# Allegro board SG2042_EVB_V1_1.brd (continued)
## Routing (per net, layer and track width the routed paths; a pad name or vN(x,y) marks a point on that pad's centre or on a via; arc(x,y) is an arc through that point) (continued)
VDDC_H: length 238.8
  TOP w0.102: R2420.2 135.1,168.4 135,168.3 114.13,168.3 113.83,168.6 113.83,169.02 U815.4
  ART10 w0.254: v1(153.62,201.9) 153.16,201.45 153.16,196.98 154.23,195.91 154.23,183.49 v1(157.18,180.54) ; v1(116.94,180.54) 114,183.49 114,195.91 112.93,196.98 112.93,201.45 v1(113.39,201.9) ; v1(127,180.54) 124.05,183.49 124.05,195.91 122.99,196.98 122.99,201.45 v1(123.44,201.9) ; v1(177.29,180.54) 174.35,183.49 174.35,195.91 173.28,196.98 173.28,201.45 v1(173.74,201.9) ; v1(143.56,201.9) 143.1,201.45 143.1,196.98 144.17,195.91 144.17,183.49 v1(147.12,180.54) ; v1(137.06,180.54) 134.11,183.49 134.11,195.91 133.05,196.98 133.05,201.45 v1(133.5,201.9) ; v1(167.23,180.54) 164.29,183.49 164.29,195.91 163.22,196.98 163.22,201.45 v1(163.68,201.9) ; v1(103.33,201.9) 102.87,201.45 102.87,196.98 103.94,195.91 103.94,183.49 v1(106.88,180.54) ; v1(93.27,201.9) 92.81,201.45 92.81,196.98 93.88,195.91 93.88,183.49 v1(96.82,180.54)
  BOTTOM w0.254: R382.1 v1(173.74,201.9) ; R406.1 v1(143.56,201.9) ; R428.1 v1(93.27,201.9) ; R407.1 v1(133.5,201.9) ; R430.1 v1(113.39,201.9) ; R431.1 v1(103.33,201.9) ; R408.1 v1(123.44,201.9) ; R384.1 v1(153.62,201.9) ; R383.1 v1(163.68,201.9)
  vias: v1(96.82,180.09) v1(96.82,179.63) v1(96.82,179.17) v1(96.82,178.71) v1(97.28,180.54) v1(97.28,180.09) v1(97.28,179.63) v1(97.28,179.17) v1(97.28,178.71) v1(97.74,180.54) v1(97.74,180.09) v1(97.74,179.63) v1(97.74,179.17) v1(97.74,178.71) v1(98.2,180.54) v1(98.2,180.09) v1(98.2,179.63) v1(98.2,179.17) v1(98.2,178.71) v1(98.65,180.54) v1(98.65,180.09) v1(98.65,179.63) v1(98.65,179.17) v1(98.65,178.71) v1(106.88,180.09) v1(106.88,179.63) v1(106.88,179.17) v1(106.88,178.71) v1(107.34,180.54) v1(107.34,180.09) v1(107.34,179.63) v1(107.34,179.17) v1(107.34,178.71) v1(107.8,180.54) v1(107.8,180.09) v1(107.8,179.63) v1(107.8,179.17) v1(107.8,178.71) v1(108.25,180.54) v1(108.25,180.09) v1(108.25,179.63) v1(108.25,179.17) v1(108.25,178.71) v1(108.71,180.54) v1(108.71,180.09) v1(108.71,179.63) v1(108.71,179.17) v1(108.71,178.71) v1(115.16,175.87) v1(115.16,175.01) v1(115.16,174.14) v1(116.03,175.87) v1(116.03,175.01) v1(116.03,174.14) v1(116.38,172.92) v1(116.38,172.06) v1(116.94,180.09) v1(116.94,179.63) v1(116.94,179.17) v1(116.94,178.71) v1(116.89,175.87) v1(116.89,175.01) v1(116.89,174.14) v1(117.25,172.92) v1(117.25,172.06) v1(117.4,180.54) v1(117.4,180.09) v1(117.4,179.63) v1(117.4,179.17) v1(117.4,178.71) v1(117.86,180.54) v1(117.86,180.09) v1(117.86,179.63) v1(117.86,179.17) v1(117.86,178.71) v1(118.11,172.92) v1(118.11,172.06) v1(118.31,180.54) v1(118.31,180.09) v1(118.31,179.63) v1(118.31,179.17) v1(118.31,178.71) v1(118.77,180.54) v1(118.77,180.09) v1(118.77,179.63) v1(118.77,179.17) v1(118.77,178.71) v1(118.97,172.92) v1(118.97,172.06) v1(119.84,172.92) v1(119.84,172.06) v1(120.7,172.92) v1(120.7,172.06) v1(121.56,172.92) v1(121.56,172.06) v1(122.43,172.92) v1(122.43,172.06) v1(123.29,172.92) v1(123.29,172.06) v1(124.16,172.92) v1(124.16,172.06) v1(125.02,172.92) v1(125.02,172.06) v1(125.88,172.92) v1(125.88,172.06) v1(126.75,172.92) v1(126.75,172.06) v1(127,180.09) v1(127,179.63) v1(127,179.17) v1(127,178.71) v1(127.46,180.54) v1(127.46,180.09) v1(127.46,179.63) v1(127.46,179.17) v1(127.46,178.71) v1(127.61,172.92) v1(127.61,172.06) v1(127.91,180.54) v1(127.91,180.09) v1(127.91,179.63) v1(127.91,179.17) v1(127.91,178.71) v1(128.37,180.54) v1(128.37,180.09) v1(128.37,179.63) v1(128.37,179.17) v1(128.37,178.71) v1(128.47,172.92) v1(128.47,172.06) v1(128.83,180.54) v1(128.83,180.09) v1(128.83,179.63) v1(128.83,179.17) v1(128.83,178.71) v1(129.34,172.92) v1(129.34,172.06) v1(130.2,172.92) v1(130.2,172.06) v1(131.06,172.92) v1(131.06,172.06) v1(131.93,172.92) v1(131.93,172.06) v1(132.79,172.92) v1(132.79,172.06) v1(133.65,172.92) v1(133.65,172.06) v1(134.52,172.92) v1(134.52,172.06) v1(135.38,172.92) v1(135.38,172.06) v1(136.25,172.92) v1(136.25,172.06) v1(137.06,180.09) v1(137.06,179.63) v1(137.06,179.17) v1(137.06,178.71) v1(137.11,175.87) v1(137.11,175.01) v1(137.11,174.14) v1(137.11,172.92) v1(137.11,172.06) v1(137.52,180.54) v1(137.52,180.09) v1(137.52,179.63) v1(137.52,179.17) v1(137.52,178.71) v1(137.97,180.54) v1(137.97,180.09) v1(137.97,179.63) v1(137.97,179.17) v1(137.97,178.71) v1(137.97,175.87) v1(137.97,175.01) v1(137.97,174.14) v1(137.97,172.92) v1(137.97,172.06) v1(138.43,180.54) v1(138.43,180.09) v1(138.43,179.63) v1(138.43,179.17) v1(138.43,178.71) v1(138.84,175.87) v1(138.84,175.01) v1(138.84,174.14) v1(138.84,172.92) v1(138.84,172.06) v1(138.89,180.54) v1(138.89,180.09) v1(138.89,179.63) v1(138.89,179.17) v1(138.89,178.71) v1(139.7,172.92) v1(139.7,172.06) v1(140.56,172.92) v1(140.56,172.06) v1(141.43,172.92) v1(141.43,172.06) v1(142.29,172.92) v1(142.29,172.06) v1(143.15,172.92) v1(143.15,172.06) v1(144.02,172.92) v1(144.02,172.06) v1(144.88,172.92) v1(144.88,172.06) v1(145.75,172.92) v1(145.75,172.06) v1(146.61,172.92) v1(146.61,172.06) v1(147.12,180.09) v1(147.12,179.63) v1(147.12,179.17) v1(147.12,178.71) v1(147.47,172.92) v1(147.47,172.06) v1(147.57,180.54) v1(147.57,180.09) v1(147.57,179.63) v1(147.57,179.17) v1(147.57,178.71) v1(148.03,180.54) v1(148.03,180.09) v1(148.03,179.63) v1(148.03,179.17) v1(148.03,178.71) v1(148.34,172.92) v1(148.34,172.06) v1(148.49,180.54) v1(148.49,180.09) v1(148.49,179.63) v1(148.49,179.17) v1(148.49,178.71) v1(148.95,180.54) v1(148.95,180.09) v1(148.95,179.63) v1(148.95,179.17) v1(148.95,178.71) v1(149.2,172.92) v1(149.2,172.06) v1(150.06,172.92) v1(150.06,172.06) v1(150.93,172.92) v1(150.93,172.06) v1(151.79,172.92) v1(151.79,172.06) v1(152.65,172.92) v1(152.65,172.06) v1(153.52,172.92) v1(153.52,172.06) v1(154.38,172.92) v1(154.38,172.06) v1(155.24,172.92) v1(155.24,172.06) v1(156.11,172.92) v1(156.11,172.06) v1(156.97,172.92) v1(156.97,172.06) v1(157.18,180.09) v1(157.18,179.63) v1(157.18,179.17) v1(157.18,178.71) v1(157.63,180.54) v1(157.63,180.09) v1(157.63,179.63) v1(157.63,179.17) v1(157.63,178.71) v1(157.84,172.92) v1(157.84,172.06) v1(158.09,180.54) v1(158.09,180.09) v1(158.09,179.63) v1(158.09,179.17) v1(158.09,178.71) v1(158.55,180.54) v1(158.55,180.09) v1(158.55,179.63) v1(158.55,179.17) v1(158.55,178.71) v1(158.7,172.92) v1(158.7,172.06) v1(159,180.54) v1(159,180.09) v1(159,179.63) v1(159,179.17) v1(159,178.71) v1(159.05,175.87) v1(159.05,175.01) v1(159.05,174.14) v1(159.56,172.92) v1(159.56,172.06) v1(159.92,175.87) v1(159.92,175.01) v1(159.92,174.14) v1(160.78,175.87) v1(160.78,175.01) v1(160.78,174.14) v1(167.23,180.09) v1(167.23,179.63) v1(167.23,179.17) v1(167.23,178.71) v1(167.69,180.54) v1(167.69,180.09) v1(167.69,179.63) v1(167.69,179.17) v1(167.69,178.71) v1(168.15,180.54) v1(168.15,180.09) v1(168.15,179.63) v1(168.15,179.17) v1(168.15,178.71) v1(168.61,180.54) v1(168.61,180.09) v1(168.61,179.63) v1(168.61,179.17) v1(168.61,178.71) v1(169.06,180.54) v1(169.06,180.09) v1(169.06,179.63) v1(169.06,179.17) v1(169.06,178.71) v1(177.29,180.09) v1(177.29,179.63) v1(177.29,179.17) v1(177.29,178.71) v1(177.75,180.54) v1(177.75,180.09) v1(177.75,179.63) v1(177.75,179.17) v1(177.75,178.71) v1(178.21,180.54) v1(178.21,180.09) v1(178.21,179.63) v1(178.21,179.17) v1(178.21,178.71) v1(178.66,180.54) v1(178.66,180.09) v1(178.66,179.63) v1(178.66,179.17) v1(178.66,178.71) v1(179.12,180.54) v1(179.12,180.09) v1(179.12,179.63) v1(179.12,179.17) v1(179.12,178.71)
VDDIO18: length 967.4
  TOP w0.102: U30.5 159.38,30.52 159.38,31.14 159,31.52 158.29,31.52 157.66,32.16 157.66,34.54 157.78,34.67 R355.2
  TOP w0.203: U2.P5 v1(214.53,210.26) ; v1(216.03,209.54) U2.P3 U2.N4 U2.M4 v1(215.03,207.54) ; U2.C6 v1(213.53,204.04)
  TOP w0.254: U811.8 C3144.2 v1(223.11,189.92) ; R183.2 v1(188.42,229.57) ; U2014.8 C3322.2 v1(238.4,189.92) ; v1(238.4,197.59) C3321.2 U2013.8 ; U2012.1 287.54,195.06 288.11,194.49 C3316.2 v1(288.21,193.88) ; R187.1 v1(182.32,229.57) ; v1(223.11,197.59) C578.2 U10.8 ; R1258.2 v1(239.83,188.04) ; R139.2 123.7,151.46 123.95,151.21 123.95,149.68 123.7,149.43 C579.2 ; v1(147.45,159.23) 145.67,159.23 145.41,158.98 R161.2 ; R116.2 R113.2 R111.2 R108.2 R112.2 R104.2 v1(19.1,161.72) ; R175.2 v1(194.51,229.57) ; R2435.1 R2434.1 v1(281.41,194.26) ; R101.2 v1(232.56,229.57) ; R235.1 v1(144.25,229.57) ; v1(286.46,175.49) 287.15,176.17 291.64,176.17 v1(292.79,175.03) ; R20.2 R19.2 R21.2 R22.2 R23.2 R24.2 269.88,154.61 269.06,153.8 C3145.2 ; R143.2 R147.2 R150.2 R153.2 R156.2 R158.2 v1(269.88,102.72) ; v1(269.88,127.15) R157.2 R155.2 R152.2 R149.2 R146.2 R140.2 ; R105.1 v1(220.37,229.57) ; R2301.2 v1(7.52,211.73) ; R98.2 v1(222.4,229.57) ; R2302.2 v1(7.52,227.56) ; R107.2 172.31,163.75 172.06,164.01 v1(172.06,165.79) ; R226.2 v1(146.28,229.57) ; R182.2 v1(186.39,229.57) ; R227.2 v1(148.31,229.57) ; R229.2 v1(156.44,229.57) ; R228.2 v1(150.34,229.57) ; R109.2 R106.2 R110.2 R115.2 R114.2 R117.2 v1(269.88,114.94) ; R100.2 v1(226.47,229.57) ; R99.2 v1(224.43,229.57) ; R103.2 v1(239.83,195.71) ; R38.2 v1(195.55,203.3) ; R181.2 v1(184.35,229.57)
  TOP w0.305: v1(286.46,175.49) C3280.2 285.85,175.49 285.85,174.08 285.55,173.78 U2006.2 ; U806.10 v1(286.61,150.31) ; U814.10 v1(202.22,215.51) ; v1(287.27,157.23) C3279.2 286.67,157.22 286.67,155.82 286.36,155.51 U806.2 ; U2006.10 v1(285.8,168.58) ; v1(202.9,222.43) C3290.1 202.29,222.43 202.29,221.02 201.98,220.72 U814.2 ; U807.2 286.36,140.27 286.67,140.58 286.67,141.98 C3281.2 v1(286.66,142.6) ; U2003.2 v1(285.8,189.02) ; U12.2 286.41,222.42 286.72,222.72 286.72,224.13 C3277.2 v1(287.32,224.13) ; U2003.10 v1(285.8,183.82) ; U12.10 v1(286.66,217.22) ; U807.10 v1(286.6,135.07) ; v1(287.32,208.89) C3278.2 286.72,208.89 286.72,207.48 286.41,207.18 U14.2 ; U2010.10 v1(19.11,150.67) ; U2011.10 v1(12.39,191.96) ; U14.10 v1(286.66,201.98) ; U2011.2 v1(17.59,191.96) ; U2010.2 v1(19.11,155.87)
  TOP w0.381: U1.AV15 v1(123.97,96.15) ; U813.8 C3146.2 v1(269.06,142.9) ; U1.AY15 v1(123.97,94.15) ; U1.BD15 v1(123.97,90.15) ; U812.8 C3145.2 v1(269.06,150.72) ; U1.BB42 v1(151.97,92.15) ; X2.4 121.33,149.43 C580.2 C579.2 123.27,148.95 122.99,148.67 116.69,148.67 v1(114.1,151.26) ; U1.AP42 v1(151.97,100.15) ; U1.AV42 v1(151.97,96.15) ; U1.AT15 v1(123.97,98.15) ; X4.4 151.14,158.24 150.76,158.62 R470.2 149.58,158.9 149.25,159.23 v1(147.45,159.23) C582.2 C583.2 147.45,156.69 X3.4 ; U1.AY42 v1(151.97,94.15) ; U1.AT42 v1(151.97,98.15) ; X1.4 174.6,165.79 C576.2 C575.2 v1(172.06,165.79) ; U1.AP15 v1(123.97,100.15) ; U1.BB15 v1(123.97,92.15)
  ART03 w0.254: v1(195.55,203.3) 196.24,203.3 203.68,210.74 214.05,210.74 v1(214.53,210.26)
  ART03 w0.381: v1(172.06,165.79) v1(161.32,165.79) ; v1(287.32,224.13) 284.1,227.36 253.06,227.36 250.85,229.57 v1(232.56,229.57) v1(226.47,229.57) v1(224.43,229.57) v1(222.4,229.57) v1(220.37,229.57) v1(214.53,229.57) v1(202.62,229.57) v1(194.51,229.57) v1(188.42,229.57) v1(186.39,229.57) v1(184.35,229.57) v1(182.32,229.57) v1(156.44,229.57) v1(150.34,229.57) v1(148.31,229.57) v1(146.28,229.57) v1(144.25,229.57) ; J13.2 290.02,131.65 v1(286.6,135.07) ; v1(212.75,197.59) v1(223.11,197.59) v1(228.04,197.59) v1(238.4,197.59) 239.83,196.16 v1(239.83,195.71) ; v1(269.06,150.72) 259.11,150.72 v1(257.89,151.94) ; v1(257.89,144.12) 259.11,142.9 260.22,142.9 260.48,143.15 268.81,143.15 v1(269.06,142.9) ; v1(20.07,157.68) 61.75,157.68 arc(62.47,157.54) 63.09,157.13 64.74,155.48 arc(65.25,155.14) 65.84,155.02 66,155.02 arc(66.52,154.92) 66.96,154.62 67.07,154.52 arc(67.45,154.26) 67.9,154.17 67.97,154.17 arc(68.42,154.26) 68.8,154.52 68.97,154.68 arc(69.35,154.93) 69.8,155.02 69.87,155.02 arc(70.32,155.11) 70.7,155.37 70.81,155.47 arc(71.25,155.77) 71.77,155.87 72.6,155.87 arc(73.12,155.77) 73.56,155.47 73.61,155.42 arc(74.05,155.12) 74.57,155.02 75.39,155.02 arc(75.91,155.12) 76.36,155.42 76.46,155.53 arc(76.84,155.78) 77.29,155.87 77.37,155.87 arc(77.82,155.78) 78.2,155.53 78.36,155.37 arc(78.74,155.11) 79.19,155.02 79.27,155.02 arc(79.72,155.11) 80.1,155.37 80.21,155.47 arc(80.65,155.77) 81.17,155.87 109.48,155.87 v1(114.1,151.26) ; v1(281.41,183.11) 285.09,183.11 v1(285.8,183.82) ; v1(239.83,188.04) 239.83,188.49 v1(238.4,189.92) v1(223.11,189.92) v1(212.75,189.92) ; v1(288.21,193.88) 281.79,193.88 v1(281.41,194.26)
  ART05 w0.305: v1(114.1,151.26) 114.47,150.88 114.47,102.82 ; 153.54,109.65 161.18,109.65 161.47,109.94 161.47,155.2 v1(172.06,165.79)
  ART05 w0.381: v1(17.59,191.96) 17.04,191.41 12.94,191.41 v1(12.39,191.96) 10.55,191.96 8.92,193.6 J2020.2
  PWR07 w0.381: v1(17.59,191.96) 19.02,190.53 19.02,179.88 19.43,179.48 19.43,162.05 v1(19.1,161.72) 19.1,158.65 v1(20.07,157.68) 20.07,156.83 v1(19.11,155.87) 18.57,155.33 18.57,151.21 v1(19.11,150.67)
  ART10 w0.254: v1(161.32,165.79) 161.32,165.3 158.83,162.81 157,162.81 153.42,159.23 v1(147.45,159.23)
  ART10 w0.381: v1(288.21,193.88) 288.21,200.42 v1(286.66,201.98) ; v1(223.11,189.92) v1(223.11,197.59) 223.11,199.75 220.37,202.49 v1(220.37,229.57) ; v1(269.88,102.72) v1(269.88,114.94) v1(269.88,127.15) 269.06,127.97 v1(269.06,142.9) ; v1(17.59,191.96) 16.88,192.68 15.22,192.68 7.52,200.38 v1(7.52,211.73) 6.93,212.32 6.93,226.97 v1(7.52,227.56) ; v1(257.89,144.12) 258.14,144.37 258.14,151.69 v1(257.89,151.94) ; v1(202.62,229.57) 202.62,222.71 v1(202.9,222.43) 202.9,216.19 v1(202.22,215.51) ; v1(214.53,229.57) 214.53,210.26 v1(214.53,210.26)
  BOTTOM w0.102: U6.4 129.75,45.3 129.75,44.92 129.59,44.75 127.64,44.75 127.3,45.09 127.3,45.85 127.41,45.95 R56.2 ; R35.2 132.41,50.95 132.31,50.85 132.31,47.67 131.84,47.2 131.56,47.2 U3.4
  BOTTOM w0.203: R40.1 214.53,210.23 214.53,210.23 v1(214.53,210.26)
  BOTTOM w0.254: C538.2 215.04,207.54 v1(215.03,207.54) ; 134.84,50.5 135.28,50.5 U13.A2 ; C539.2 214.53,210.26 v1(214.53,210.26) ; v1(257.89,144.12) R1263.2 R1264.2 ; R1255.2 v1(212.75,189.92) ; v1(216.03,209.54) 215.98,209.6 C540.2 ; R196.2 R197.2 R198.2 R199.2 R200.2 R201.2 R202.2 R208.2 v1(281.41,183.11) ; v1(269.06,150.72) 269.65,150.72 269.88,150.5 R1262.2 ; v1(257.89,151.94) R1259.2 R1260.2 ; v1(213.53,204.04) 213.31,203.82 C537.2 R33.1 R32.1 R31.1 R34.1 ; v1(269.06,142.9) 269.65,142.9 269.88,142.67 R1266.2 ; R1256.2 227.23,187.63 228.04,188.44 R2369.2 228.04,191.47 227.23,192.28 R97.2 227.23,195.3 228.04,196.11 R2370.2 v1(228.04,197.59) ; v1(292.79,175.03) R2066.2 R2067.2 ; R96.2 v1(212.75,197.59)
  BOTTOM w0.381: C1487.2 v1(151.97,92.15) ; C1485.2 v1(151.97,96.15) ; C1480.2 v1(123.97,94.15) ; FB5.1 v1(151.97,110.15) ; C1484.2 v1(151.97,98.15) ; FB6.1 v1(123.97,110.15) ; C1477.2 v1(123.97,100.15) ; C1483.2 v1(151.97,100.15) ; 134.34,51.1 C587.2 134.84,50.5 ; v1(19.11,155.87) 19.12,155.88 FB2018.1 C3282.2 v1(20.07,157.68) ; C1479.2 v1(123.97,96.15) ; C1481.2 v1(123.97,92.15) ; C1482.2 v1(123.97,90.15) ; C1478.2 v1(123.97,98.15) ; C1486.2 v1(151.97,94.15)
  vias: v1(120.75,42.01) v1(121.36,42.62) v1(121.97,43.23) v1(128.12,46.94) v1(129.01,46.43) v1(129.01,45.52) v1(133.43,53.19) v1(134.34,53.19) v1(134.34,52.27) v1(137.47,92.65) v1(151.87,45.62) v1(152.48,45.01) v1(153.09,44.4) v1(159.44,35.36) v1(159.44,34.49) v1(233.45,18.8) v1(233.45,18.34) v1(233.91,18.8) v1(233.91,18.34) v1(234.37,18.8) v1(234.37,18.34)
VDDIO18_H: length 18.2
  TOP w0.102: U30.4 158.99,30.52 158.99,31.11 158.84,31.27 158.19,31.27 157.4,32.05 157.4,34.54 157.28,34.67 R355.1
  TOP w0.254: v1(158.88,26.06) C1234.1 R357.2 ; C1235.2 v1(155.07,34.37)
  ART10 w0.254: v1(155.07,34.37) 155.07,33.45 158.88,29.64 v1(158.88,26.06)
VDDIO33: length 572.1
  TOP w0.102: U4.4 133.16,49.08 133.16,49.5 133.07,49.6 133.07,50.85 133.17,50.95 R37.2
  TOP w0.254: R2379.1 v1(225.91,134.49) ; R2348.1 v1(251.28,145.52) ; v1(48.23,221.92) R45.2 C536.2 45.75,221.92 U5.A2 ; v1(140.06,226.95) C3163.1 R1351.2 ; R2350.1 v1(251.28,130.28) ; R2377.1 v1(251.28,150.6) ; R2375.1 v1(251.28,148.06) ; R2346.1 v1(251.28,142.98) ; R588.2 v1(11.43,148.89) ; R2381.1 v1(225.91,147.19) ; R2371.1 v1(251.28,153.14) ; R2373.1 v1(251.28,155.68)
  TOP w0.381: v1(227.33,144.04) C3274.2 227.34,144.64 J2016.25 ; v1(227.33,126.24) C3273.2 227.34,126.86 J2016.32
  TOP w0.508: v1(213.41,226.21) 213.41,214.3 v1(209.02,209.91)
  ART03 w0.254: v1(139.09,219.74) 138.73,220.09 138.73,225.63 v1(140.06,226.95)
  ART03 w0.381: v1(227.33,144.04) 229.21,145.92 250.88,145.92 v1(251.28,145.52)
  ART05 w0.406: v1(11.43,148.89) 12.9,150.37 12.9,174.42 16.8,178.32 17.74,178.32 27.53,188.11 27.53,189.43 36.02,197.92 36.02,210.43 45.26,219.67 45.26,220.34 46.84,221.92 v1(48.23,221.92)
  ART10 w0.381: v1(139.09,219.28) 135.94,216.13 54.03,216.13 v1(48.23,221.92) ; v1(251.28,130.28) 250.14,131.42 250.14,132.84 251.28,133.99 v1(251.28,142.98) v1(251.28,145.52) v1(251.28,148.06) v1(251.28,150.6) v1(251.28,153.14) v1(251.28,155.68)
  ART10 w0.508: v1(223.6,226.21) 223.6,213.94 225.04,212.5 225.04,199.87 225.91,199.01 v1(225.91,147.19) 227.33,145.77 v1(227.33,144.04) 225.91,142.62 v1(225.91,134.49) 227.33,133.07 v1(227.33,126.24) 227.33,114.55 223.57,110.79 223.57,108.23 218.44,103.1 218.44,85.27 215.34,82.17 215.34,81.43 214.93,81.03 214.93,72.09 221.03,65.99 221.03,53.11 v1(222.08,52.06)
  BOTTOM w0.381: FB1.1 v1(209.02,209.91)
  BOTTOM w0.508: v1(222.08,52.06) 218.72,48.69 218.72,42.88 214.99,39.14 185.55,39.14 169.98,54.71 135.94,54.71 135.25,54.03 v1(135.25,52.27)
  vias: v1(135.25,51.41) v1(139.55,219.74) v1(139.55,219.28) v1(140,219.74) v1(140,219.28) v1(140.46,219.74) v1(140.46,219.28)
VDDIO_CLK_DDR0: length 2.2
  TOP w0.381: U1.AG41 v1(150.97,108.15)
  BOTTOM w0.381: FB5.2 v1(150.97,108.15) C594.2
VDDIO_CLK_DDR1: length 2.2
  TOP w0.381: U1.AG16 v1(124.97,108.15)
  BOTTOM w0.381: FB6.2 v1(124.97,108.15) C590.2
VDDIO_DPLL0: length 2.2
  TOP w0.381: U1.AJ41 v1(150.97,106.15)
  BOTTOM w0.381: C592.2 v1(150.97,106.15) FB7.2
VDDIO_DPLL1: length 2.2
  TOP w0.381: U1.AJ16 v1(124.97,106.15)
  BOTTOM w0.381: FB9.2 v1(124.97,106.15) C600.2
VDDIO_FPLL: length 1.5
  TOP w0.381: FB11.2 C604.2 v1(144.09,51.94)
  vias: v1(140.47,93.65) v1(144.09,52.4)
VDDIO_MPLL: length 1.5
  TOP w0.381: v1(142.09,51.94) C602.2 FB10.2
  vias: v1(139.47,93.65) v1(142.09,52.4)
2973_V18: length 458.6
  TOP w0.203: U37.48 61.46,200.45 v1(61.72,200.71)
  TOP w0.254: R410.1 v1(135,203.68) ; R411.1 v1(124.94,203.68) ; R387.1 v1(155.12,203.68) ; R435.1 v1(104.83,203.68) ; R434.1 v1(114.88,203.68) ; R432.1 v1(94.77,203.68) ; R396.2 v1(65.46,196.11) ; R386.1 v1(165.18,203.68) ; R409.1 v1(145.06,203.68) ; R385.1 v1(175.23,203.68) ; R433.1 v1(128.6,12.85)
  ART10 w0.254: v1(27.53,184.43) 19.61,176.5 19.61,138.02 11.56,129.97 11.56,112.74 10.62,111.8 10.62,34.81 31.27,14.15 109.86,14.15 111.61,12.4 128.14,12.4 v1(128.6,12.85)
  BOTTOM w0.254: 61.09,200.94 61.49,200.94 v1(61.72,200.71) ; v1(61.72,200.71) 64.69,203.68 v1(94.77,203.68) 95.15,204.06 104.44,204.06 v1(104.83,203.68) 105.21,204.06 114.5,204.06 v1(114.88,203.68) 115.27,204.06 124.56,204.06 v1(124.94,203.68) 125.32,204.06 134.62,204.06 v1(135,203.68) 135.38,204.06 144.68,204.06 v1(145.06,203.68) 145.44,204.06 154.74,204.06 v1(155.12,203.68) 155.5,204.06 164.8,204.06 v1(165.18,203.68) 165.56,204.06 174.85,204.06 v1(175.23,203.68) ; v1(61.72,200.71) 61.76,200.71 65.46,197.01 v1(65.46,196.11) 62.33,196.11 61.11,194.89 54.03,194.89 43.56,184.43 v1(27.53,184.43)
2973_V18_DDR: length 396.9
  TOP w0.203: U53.48 228.56,211.79 v1(228.36,211.99)
  TOP w0.254: R647.1 v1(223.22,72.29) ; R653.1 v1(58.67,72.9) ; R641.2 v1(232.89,217.09)
  ART10 w0.381: v1(223.22,72.29) 223.22,73.3 224.19,74.28 224.19,75.1 225.35,76.25 225.35,81.33 232.59,88.57 232.59,118.16 241.43,127 241.43,208.56 v1(232.89,217.09)
  BOTTOM w0.254: v1(232.89,217.09) 232.85,217.09 228.36,212.6 v1(228.36,211.99) 228.35,211.98 C1493.1
  BOTTOM w0.381: v1(58.67,72.9) 59.44,72.9 60.71,71.63 60.71,45.21 65.66,40.26 89.71,40.26 105.18,55.73 170.87,55.73 186.19,40.4 210.63,40.4 216.38,46.15 216.38,54.86 223.23,61.71 223.23,72.28 v1(223.22,72.29)
